# Allegro board A523-EVB-AXP717C-LPDDR4-4X-32X1-V1-0.brd (continued)
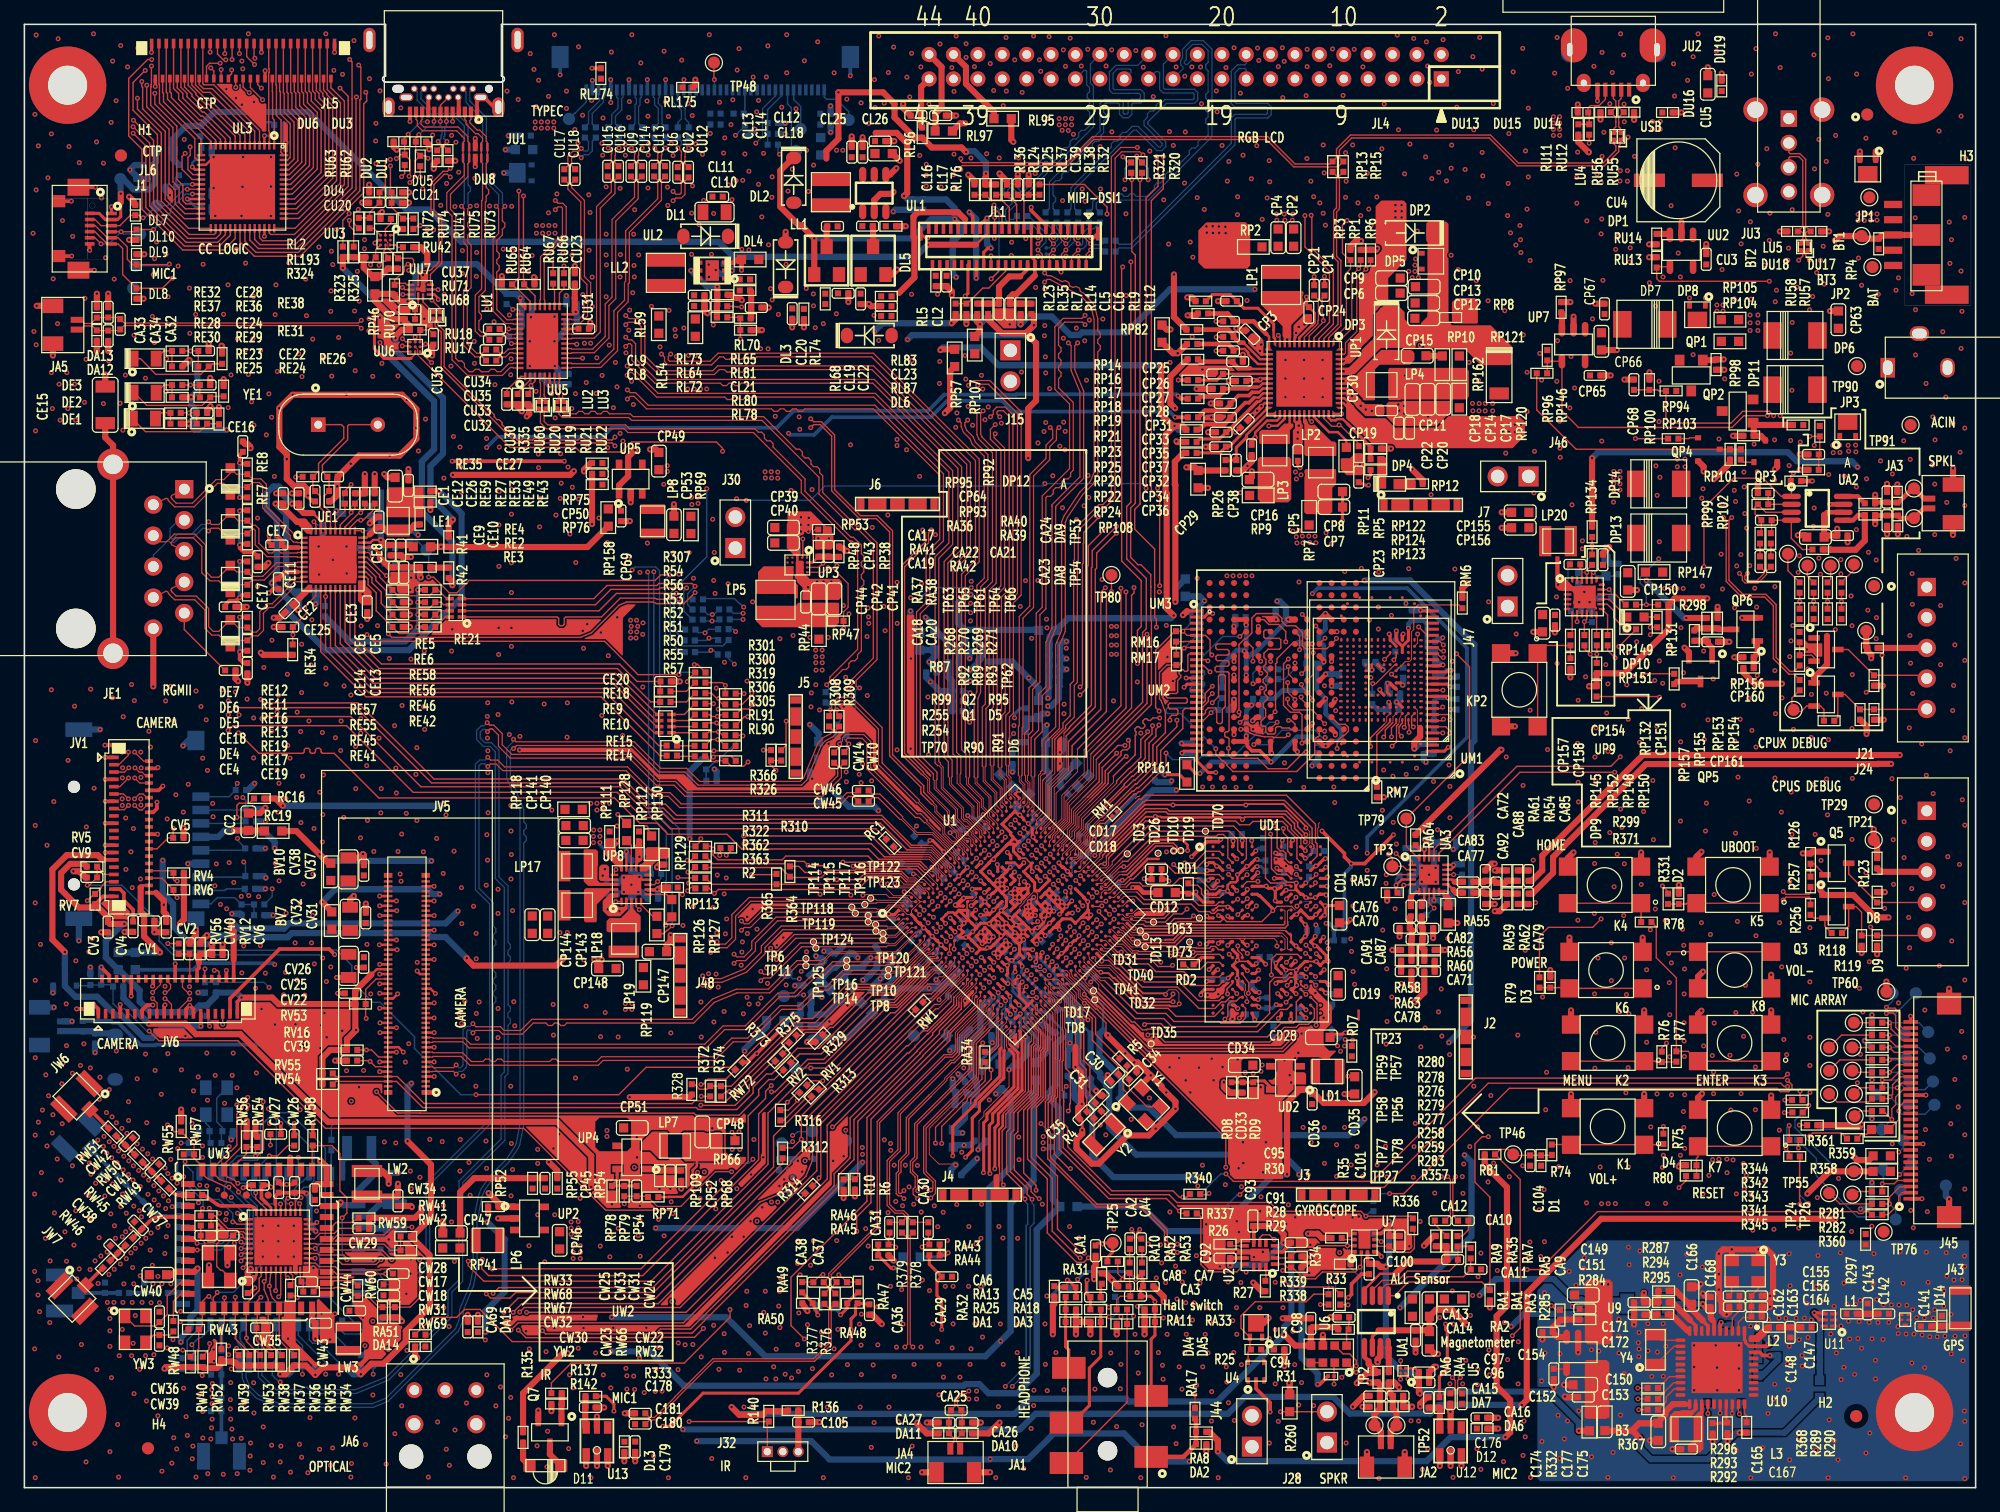
[diagram p0: board, top side]
## Placement (name value [footprint] x y rotation side) (continued)
TP96  I2S0-LRCK  [TP100]  156.24 35.2 180 bottom
TP97  I2S0-DIN0  [TP100]  154.33 35.2 180 bottom
TP98  I2S0-DOUT0  [TP100]  154.58 33.3 180 bottom
TP99  DMIC-DATA2  [TP100]  156.49 33.3 180 bottom
TP100  DMIC-DATA3  [TP100]  154.46 31.39 180 bottom
TP101  DMIC-DATA1  [TP100]  152.3 29.36 180 bottom
TP102  GND  [TP100]  157.56 24.77 180 bottom
TP103  PA-EN  [TP100]  156.62 31.39 180 bottom
TP104  VCC-5V  [TP100]  154.08 28.47 180 bottom
TP105  VCC-3V3  [TP100]  154.71 26.57 180 bottom
TP106  DMIC-DATA0  [TP100]  152.43 26.06 180 bottom
TP107  DMIC-CLK  [TP100]  153.44 22 180 bottom
TP108  LEDC  [TP100]  153.82 24.41 180 bottom
TP109  PE10  [TP100]  63.2 34.42 180 bottom
TP110  TEST  [TP30]  74.52 46.76 90 bottom
TP111  TEST  [TP30]  74.09 46.3 90 bottom
TP112  TEST  [TP30]  73.79 47.37 90 bottom
TP113  TEST  [TP30]  73.38 46.99 90 bottom
TP114  TEST  [TP30]  67.84 47.6 90 top
TP115  TEST  [TP30]  68.13 47.1 90 top
TP116  TEST  [TP30]  69.39 48.34 90 top
TP117  TEST  [TP30]  68.91 47.83 90 top
TP118  TEST  [TP30]  69.19 46.91 90 top
TP119  TEST  [TP30]  69.19 46.41 90 top
TP120  TEST  [TP30]  70.4 45.46 90 top
TP121  TEST  [TP30]  70.41 44.96 90 top
TP122  TEST  [TP30]  69.8 46.18 90 top
TP123  TEST  [TP30]  69.82 45.64 90 top
TP124  TEST  [TP30]  64.7 44.76 90 top
TP125  TEST  [TP30]  64.9 44.25 90 top
U1  A523  [BGA522P50B1500_1500H98]  81.23 46.99 45 top
U2  NC/ICM-42670-P  [LGA14P50B250_300H81]  101.3 19.08 180 top
U3  NC/MH248ESQ  [QFN3P100B200_200H53]  100.99 13.18 180 top
U4  NC/MT889X  [DFN5P100B165_165H55]  100.99 9.55 0 top
U5  NC/MMC5603NJ  [BGA4P40B82_82H57]  113.05 9.58 180 top
U6  NC/STK3310  [ALS8P97B236_394H140]  106.96 10.95 180 top
U7  NC/MC3433  [LGA12P50B200_200H100]  109.88 20.09 90 top
U8  B8813-TDK  [SFLT5B90_110H45]  154.22 13.77 90 top
U9  NC/SGM2028-3.3/EMP8965-3.3V  [SOT23-5]  127.4 11.1 270 top
U10  TD1030  [QFN40]  138.79 9.85 270 top
U11  MAX2659  [DFN6P50B100_150H72]  147.97 13.76 90 top
U12  NC/SPH1642HT5H-1  [MIC6B265_350H100]  116.95 3.83 90 top
U13  NC/SPH1642HT5H-1  [MIC6B265_350H100]  46.95 3.83 90 top
UA1  TCS7191AB  [MSOP8]  110.86 13.62 180 top
UA2  TCS7191AB  [MSOP8]  147.02 80.31 270 top
UA3  AC107  [QFN20P40B300_300H75]  115.18 50.27 0 top
UD1  LPDDR4_FBGA200  [BGA200P65_80B1000_1500H90]  101.87 45.74 0 top
UD2  SY8089A1AAC  [SOT5P95B160_300H130]  103.4 33.6 180 top
UE1  RTL8211F-CG/RTL8211FD-CG  [QFN41P40B500_500H85]  25.3 76.1 0 top
UL1  NC/LP3315  [SOT23-6]  69.69 106.16 0 top
UL2  LP3321QVF  [DFN6P650B200_200H75]  56.4 99.81 90 top
UL3  NC/GSL3676  [QFN57P40B700_700H75]  17.88 106.68 270 top
UM1  EMMC  [BGA169P50B1200_1600H100]  111.24 66.24 180 top
UM2  NC/BGA 152 BAll NAND  [BGA152P100B1400_1800H135]  103.18 66.19 180 top
UM3  NC/NAND  [SOP48P50B1200_1840H120]  105.78 66.15 0 top
UP1  AXP717C  [QFN53P40B600_600H75]  104.95 90.94 270 top
UP2  SY8089A1AAC  [SOT5P95B160_300H130]  41.41 22.08 0 top
UP3  TCS4838  [BGA20P40B160_200H60]  63.38 75.67 270 top
UP4  SY8089A1AAC  [SOT5P95B160_300H130]  49.8 27.08 180 top
UP5  NC/SY8089A1AAC  [SOT5P95B160_300H130]  49.71 82.71 90 top
UP7  WS4603E  [SOT23-5]  127.03 93.75 270 top
UP8  AXP323  [QFN20P40B300_300H75]  49.76 49.45 90 top
UP9  NC/ETA6973  [QFN25P40B300_300H60]  127.91 73.05 0 top
UU2  WS4603E  [SOT23-5]  135.88 101.5 270 top
UU3  HUSB311  [BGA9P40B135_140H58]  29.6 102.31 270 top
UU5  PS8743B  [QFN41P40B400_600H80]  42.47 94.02 90 top
UU6  WAS4766C  [BGA9P40B117_117H58D5]  32.04 93.56 180 top
UU7  SGM7237B  [QFN10P40B140_180H55]  32.49 98.24 90 top
UW1  NC/AP6275P/AP6275PR3  [QFN50P90B1300_1500H155]  20.21 19.56 0 bottom
UW2  NC/XR829  [QFN41P40B500_500H85]  20.82 20.21 0 top
UW3  AW8X9X  [SUB_WIFI47B1200_1200H150]  19.09 20.39 0 top
Y1  24M-20pF-10ppm  [X4B250_320H120_SMD]  91.8 31.4 45 top
Y2  32.768K-12.5pF-20ppm  [X2B150_320H75_SMD]  88.52 28.94 225 top
Y3  26M-3225-0.5PPM  [X4B250_320H120_SMD]  141.1 17.76 270 top
Y4  32.768K-12.5pF-20ppm  [X2B150_320H75_SMD]  133.74 11.31 90 top
YE1  NC/25M-20pF-30ppm  [X2B500_1135H350]  26.54 87.18 0 top
YW1  37.4M-18pF-10ppm  [X4B250_320H120_SMD]  15.75 31.69 180 bottom
YW2  24M-16pF-10ppm  [X4B250_320H80_SMD]  15.96 18.13 180 top
YW3  NC/37.4M-12pF-10ppm  [X4B250_320H120_SMD]  9.09 12.98 0 top

## Library data of the parts
B1-B3 BA1 BV7 BV10 = FB-0603
BL1 = FB-0402
BT1-BT3 TP2-TP5 TP19 TP21 TP23-TP27 TP29 TP45-TP66 TP70 TP73-TP83 TP87-TP109 = TestPoint-SMD
C1-C52 C54-C101 C104 C105 C139-C156 C159-C172 C174-C181 CA1-CA27 CA29-CA34 CA36-CA38 CA69-CA93 CD1-CD36 CL1-CL6 CL8-CL11 CL13-CL17 CL19-CL23 CL25-CL27 CL39-CL41 CL52-CL59 CM1-CM17 CP39-CP43 CP45-CP54 CP69 CP149 CU2 CU6 CU8 CU9 CU12-CU18 CU20 CU21 CU23-CU31 CU36 CU37 CV1-CV9 CV22 CV25 CV31 CV37 CV39 CV40 CW1-CW8 CW11 CW12 CW15-CW44 = C-C0402
CA28 CA35 CC2 CL12 CL18 CP1-CP38 CP44 CP63-CP68 CP135-CP141 CP143-CP148 CP150-CP161 CU3 CU5 CU7 = C-C0603
CE1-CE8 CE10-CE14 CE25 = C-C0402-X5R
CE9 = C-C0603-X7R
CE15 = C-C1206-X5R
CE16-CE24 CE26-CE28 = C-C0402-COG
CL42-CL51 CW9 CW13 CW45 CW46 = C-C0402: signal model: C-C0402_C0402_NC/100NF_NC/100nF
CU4 = C-EC0511-DIP
CU10 = C-C0402: signal model: Graser_CU10
CU11 = C-C0402: signal model: Graser_CU11
CU32 = C-C0402: signal model: Graser_CU32
CU33 = C-C0402: signal model: Graser_CU33
CU34 = C-C0402: signal model: Graser_CU34
CU35 = C-C0402: signal model: Graser_CU35
CV26 CV32 CV38 = C-C0805
CW10 = C-C0402: signal model: Graser_CW10
CW14 = C-C0402: signal model: Graser_CW14
D1-D6 D8 D9 DP9 DU3-DU6 DU13 DU16 DU19-DU22 = ESD5451X_0
D7 = DIO-XBS104S14: Tolerance: Toleance; User Part Number: Part number
D11 = IR12-21C
D12 D13 = ESD5451X
D14 DA1-DA15 DL7-DL11 DU1 DU2 DU14 DU15 DU17 DU18 = ESD9B5VL_0
D15 = DIO-1N4148
DC6-DC10 = ESD9B5VL
DE1-DE3 = LED-0805-R
DE4-DE7 = ESD-SPD9103W
DL1 = D_0: User Part Number: Part number; Tolerance: Toleance
DL2 = D_0: Tolerance: Toleance; User Part Number: Part number
DL3 DL5 = DIODE_DUAL_3
DL4 DL6 = DIODE SCHOTTKY: Tolerance: Toleance; User Part Number: Part number
DP1 DP5 DP8 DP12 DU7 = DIODE SCHOTTKY_1
DP2 = DIO-1N4148: Tolerance: Toleance; User Part Number: Part number
DP3 = DIO-1N5819HW: Tolerance: Toleance; User Part Number: Part number
DP4 DP10 = LED-0805-G
DP6 DP7 DP11 DP13 DP14 = DIO-1N5819HW
DU8 = ESD-ULC0524P: signal model: Graser_DU8
DU9 = ESD-ULC0524P
H1-H4 = HOLE
J1 = FPC-6P-0.5MM-B
J2-J7 J48 = ICSRC6508SFR
J9 JA2-JA5 = 0_0.8T-2PWB
J15 J28 J30 J44 J46 J47 = JUMPER-2
J21 J24 = XH2.54MM-5P-M
J32 = IR_Module
J43 = ANT-SMD_0
J45 = FPC-30P-0_0.5MM-T-B
JA1 = PJ-327F
JA6 = SPDIF-OPTICAL
JC1 = TF-SLOT
JE1 = RJ45-HFJ11-1G01E
JL1 = CON45_LCM
JL2 = FPC-40P-0.5MM-B-EDP
JL4 = DC3-2.0MM-44P-RGBLCD-20200618
JL5 = CON51PIN_CTP
JL6 = FPC_KEY_0
JP1 = J_BAT
JP2 = J_BAT_TS
JP3 = DCIN-5V
JU1 = Type-C-CSTU-16022400E
JU2 = USB2.0-MICRO-01F
JU3 = USB2.0-A-02F
JV1 JV6 = CON39PIN_CAMERA
JV5 = DF40HC-90DS-0.4V
JW1-JW3 JW6 JW7 = ANT-IPX
K1-K8 KP2 = KEY-04P-SMD-03: Tolerance: TOLERANCE; User Part Number: PRAT NUMBER
L1 L2 = L-L0402
L3 LD1 LP6-LP8 = L-L2520
LE1 = L-L2016
LL1 LL2 LP1 LP5 = L_4012
LP2-LP4 LP17-LP20 LW2 = L_LP200_250H120
LU1 = ICMS212B900MFR_0
LU2 = ICMS212B900MFR_0: signal model: Graser_LU2
LU3 = ICMS212B900MFR_0: signal model: Graser_LU3
LU4 = ICMS212B900MFR_0: signal model: Graser_LU4
LU5 = ICMS212B900MFR_0: signal model: Graser_LU5
LW1 LW3 LW4 = INDUCTORS OF FERRITE
Q1-Q3 Q5 = NMOS-BSN20
Q7 QP5 QP6 = NPN-MMBT3904
QP1 QP2 = MOSFET P
QP3 QP4 = NPN-LMBT3904LT1G
QV1 = MOSFET N
R1-R3 R87 R89-R93 R95 R103 R105 R107 R112 R118 R119 R123 R126 R128 R131 R133 R134 R254-R260 R268-R271 R276-R283 R300 R301 R304-R307 R310 R311 R319-R322 R326 R336-R345 R362 R363 R371-R373 = R-R0805-5%
R4 R14 R17 R18 R74-R78 R81 R335 RD3-RD10 RP41 RP44 RP66 RP69 RP97 = R-R0402-1%
R5 R7 R11 R13 R15 R16 R25-R36 R49 R55 R57-R59 R79 R80 R135-R137 R140 R142 R143 R266 R267 R284 R285 R287-R299 R315-R317 R323-R325 R328 R329 R331-R334 R346-R355 R360 R361 R364-R370 R374-R379 RA3-RA11 RA13 RA17 RA18 RA25 RA31-RA53 RA55 RA57 RA64 RC15 RC16 RC20 RD1 RD2 RE2-RE4 RE6 RE14 RE15 RE23-RE39 RE41-RE59 RL2 RL3 RL7 RL9 RL12 RL14 RL23-RL25 RL32 RL35-RL38 RL64 RL65 RL68 RL72-RL74 RL83 RL87-RL91 RL95-RL97 RL174-RL177 RL187-RL190 RL193-RL195 RM3-RM5 RM7-RM17 RP1 RP3-RP6 RP12 RP13 RP15 RP38 RP47 RP48 RP52 RP53 RP68 RP71 RP92-RP96 RP98-RP103 RP109 RP122-RP124 RP129 RP131-RP136 RP145 RP146 RP148-RP157 RU10 RU17 RU18 RU41 RU42 RU55 RU56 RU59-RU79 RV1-RV8 RV12-RV14 RV16 RV53-RV56 RW2-RW8 RW11-RW15 RW18 RW19 RW31-RW60 RW66-RW73 = R-R0402-5%
R6 R8 R10 R41 R42 R357-R359 RA1 RA2 RA54 RA56 RA58-RA63 RL1 RL5 RL54 RL59 RL63 RL70 RL76 RL78 RL80 RL81 RL192 RP2 RP7-RP9 RP11 RP14 RP16-RP27 RP29-RP31 RP33 RP39 RP40 RP42 RP43 RP46 RP49 RP51 RP54 RP55 RP57 RP67 RP75 RP76 RP78 RP79 RP81-RP83 RP85 RP104-RP108 RP111-RP113 RP118 RP119 RP125-RP128 RP130 RP139 RP142 RP147 RP158-RP161 = R-R0603-1%
R12 = R-R0603-1%: signal model: R-R0402-5%_R0402_0R_0R
R19-R21 = R-R0402-1%: signal model: R-R0402-5%_R0402_0R_0R
R43 = R-R0402-5%: signal model: Graser_R43
R44 = R-R0402-5%: signal model: Graser_R44
R45 = R-R0402-5%: signal model: Graser_R45
R46 = R-R0402-5%: signal model: Graser_R46
R47 = R-R0402-5%: signal model: Graser_R47
R48 = R-R0402-5%: signal model: Graser_R48
R50 = R-R0402-5%: signal model: Graser_R50
R51 = R-R0402-5%: signal model: Graser_R51
R52 = R-R0402-5%: signal model: Graser_R52
R53 = R-R0402-5%: signal model: Graser_R53
R54 = R-R0402-5%: signal model: Graser_R54
R56 = R-R0402-5%: signal model: Graser_R56
R99 = R-R0805-5%: signal model: R-R0402-5%_R0402_33R_33R
R308 = R-R0402-5%: signal model: Graser_R308
R309 = R-R0402-5%: signal model: Graser_R309
R312 = R-R0805-5%: signal model: Graser_R312
R313 = R-R0805-5%: signal model: Graser_R313
R314 = R-R0805-5%: signal model: Graser_R314
RC1 = R-R0402-5%: signal model: Graser_RC1
RC19 RE1 RE5 RP10 RP120 RP121 = R-R0603-5%
RE7 RE8 RE11-RE13 RE16 RE17 RE19 RE40 = R-R0201-1%
RE9 = R-R0402-5%: signal model: Graser_RE9
RE10 = R-RP8-0402-5%: signal model: Graser_RE10
RE18 = R-R0402-5%: signal model: Graser_RE18
RE20 = R-R0402-5%: signal model: Graser_RE20
RE21 = R-RP8-0402-5%: signal model: Graser_RE21
RE22 = R-R0402-5%: signal model: Graser_RE22
RL21 RL22 RL26-RL31 RL33 RL34 RM2 RM6 = R-R0402-5%: signal model: R-R0402-5%_R0402_0R_0R
RM1 = R-R0402-1%: signal model: Graser_RM1
RP162 = R-R1206-5%
RU11-RU14 = R-R0402-5%: room: EMMC
RU15 = R-R0402-5%: signal model: Graser_RU15
RU16 = R-R0402-5%: signal model: Graser_RU16
RU19 = R-R0402-5%: signal model: Graser_RU19
RU20 = R-R0402-5%: signal model: Graser_RU20
RU21 = R-R0402-5%: signal model: Graser_RU21
RU22 = R-R0402-5%: signal model: Graser_RU22
RU57 = R-R0402-5%: signal model: Graser_RU57
RU58 = R-R0402-5%: signal model: Graser_RU58
RW1 = R-R0402-5%: signal model: Graser_RW1
TD3 TD8 TD10 TD13 TD14 TD17-TD19 TD22 TD23 TD26 TD29 TD31 TD32 TD35 TD38 TD40 TD41 TD47 TD49 TD53 TD54 TD66 TD69-TD73 TP6 TP8 TP10 TP11 TP14 TP16 TP71 TP72 TP110-TP125 = TestPoint-on wire
U1 = A523/R828-V1
U2 = ICM-42670-P
U3 = MH248ESQ
U4 = MT889X
U5 = AK09918C
U6 = STK3310
U7 = MC3433
U8 = B8313-TDK-SAW
U9 = RT9050_0
U10 = TD1030: Tolerance: RichardLC
U11 = MAX2659
U12 U13 = MIC-SPH1642HT5H-1
UA1 UA2 = TCS7191AB: User Part Number: pn; Tolerance: RichardLC
UA3 = AC107s_standard_0
UD1 = LPDDR4_FBGA200
UD2 = SY8089A_0
UE1 = RTL8211F
UL1 = AP3019_0: Tolerance: RichardLC
UL2 = LP3321QVF
UL3 = GSL3676
UM1 = EMMC5.0-BGA169
UM2 = NAND-BGA152
UM3 = NAND-FLASH-TSOP48
UP1 = AXP717C
UP2 UP4 UP5 = SY8089A
UP3 = TCS4525
UP7 UU2 = SY6280
UP8 = AXP323
UP9 = ETA6973
UU3 = HUSB311
UU5 = PS8743
UU6 = WAS4766C
UU7 = SGM7237B
UW1 = AP6275P/AP6275PR3
UW2 = XR829
UW3 = MODULE_AP6XXX
Y1 = CRY-24MHz-3225-SMD
Y2 Y4 = CRY-32_0.768KHz-2X6-DIP
Y3 = OSC-25MHz-1_0.8V-3225-SMD
YE1 = CRY-25MHz-DIP
YW1 YW3 = CRY-37.4MHz-3225-SMD
YW2 = CRY-24MHz-3225-SMD-WIFI

## Footprints (pads in the part's own frame, mm; a bottom-side part is the same pattern mirrored in y, then rotated)
45PIN_UD_FPC_863
  rect 0.3x0.8 smd: 1(0,0) 3(0.6,0) 5(1.2,0) 7(1.8,0) 9(2.4,0) 11(3,0) 13(3.6,0) 15(4.2,0) 17(4.8,0) 19(5.4,0) 21(6,0) 23(6.6,0) 25(7.2,0) 27(7.8,0) 29(8.4,0) 31(9,0) 33(9.6,0) 35(10.2,0) 37(10.8,0) 39(11.4,0) 41(12,0) 43(12.6,0) 45(13.2,0)
  rect 0.3x0.65 smd: 2(0.3,2.875) 4(0.9,2.875) 6(1.5,2.875) 8(2.1,2.875) 10(2.7,2.875) 12(3.3,2.875) 14(3.9,2.875) 16(4.5,2.875) 18(5.1,2.875) 20(5.7,2.875) 22(6.3,2.875) 24(6.9,2.875) 26(7.5,2.875) 28(8.1,2.875) 30(8.7,2.875) 32(9.3,2.875) 34(9.9,2.875) 36(10.5,2.875) 38(11.1,2.875) 40(11.7,2.875) 42(12.3,2.875) 44(12.9,2.875)
  rect 0.3x1.15 smd: 46(13.85,0.375) 47(-0.65,0.375)
ALS8P97B236_394H140
  rect 0.72x0.7 smd: 1(-1.455,0.7) 2(-0.485,0.7) 3(0.485,0.7) 4(1.455,0.7) 5(1.455,-0.7) 6(0.485,-0.7) 7(-0.485,-0.7) 8(-1.455,-0.7)
ANT2B160_320H50
  rect 0.75x1.7 smd: 1(-1.475,0) 2(1.475,0)
ANT3B300_310H125
  rect 1.05x2.2 smd: 1(-1.475,0) 2(1.475,0)
  rect 1x1.05 smd: 3(0,1.525)
BAT_SMD-3
  rect 1.78x2.29 smd: 1(-3.27,0) 2(0,0) 3(3.27,0)
BGA4P40B82_82H57
  round 0.25 smd: A1(-0.2,0.2) A2(0.2,0.2) B1(-0.2,-0.2) B2(0.2,-0.2)
BGA9P40B117_117H58D5
  custom 0.052x0.052 smd: A1(-0.4,0.4) A2(0,0.4)
  round 0.25 smd: A3(0.4,0.4) B1(-0.4,0) B2(0,0) B3(0.4,0) C1(-0.4,-0.4) C2(0,-0.4) C3(0.4,-0.4)
BGA9P40B135_140H58
  round 0.25 smd: A1(-0.4,0.4) A2(0,0.4) B1(-0.4,0) B2(0,0) C1(-0.4,-0.4) C2(0,-0.4) C3(0.4,-0.4)
  custom 0.052x0.052 smd: A3(0.4,0.4) B3(0.4,0)
BGA20P40B160_200H60
  round 0.2 smd: A1(-0.6,0.8) A2(-0.2,0.8) A3(0.2,0.8) A4(0.6,0.8) B1(-0.6,0.4) B2(-0.2,0.4) B3(0.2,0.4) B4(0.6,0.4) C1(-0.6,0) C2(-0.2,0) C3(0.2,0) C4(0.6,0) D1(-0.6,-0.4) D2(-0.2,-0.4) D3(0.2,-0.4) D4(0.6,-0.4) E1(-0.6,-0.8) E2(-0.2,-0.8) E3(0.2,-0.8) E4(0.6,-0.8)
BGA152P100B1400_1800H135
  round 0.5 smd: A1(-6,8) A2(-5,8) A3(-4,8) A4(-3,8) A10(3,8) A11(4,8) A12(5,8) A13(6,8) B1(-6,7) B2(-5,7) B3(-4,7) B4(-3,7) B10(3,7) B11(4,7) B12(5,7) B13(6,7) C1(-6,6) C2(-5,6) C3(-4,6) C4(-3,6) C10(3,6) C11(4,6) C12(5,6) C13(6,6) D1(-6,5) D2(-5,5) D3(-4,5) D4(-3,5) D5(-2,5) D6(-1,5) D8(1,5) D9(2,5) D10(3,5) D11(4,5) D12(5,5) D13(6,5) E1(-6,4) E2(-5,4) E3(-4,4) E4(-3,4) E5(-2,4) E6(-1,4) E8(1,4) E9(2,4) E10(3,4) E11(4,4) E12(5,4) E13(6,4) F3(-4,3) F4(-3,3) F5(-2,3) F6(-1,3) F8(1,3) F9(2,3) F10(3,3) F11(4,3) G3(-4,2) G4(-3,2) G5(-2,2) G6(-1,2) G8(1,2) G9(2,2) G10(3,2) G11(4,2) H3(-4,1) H4(-3,1) H5(-2,1) H6(-1,1) H8(1,1) H9(2,1) H10(3,1) H11(4,1) J3(-4,0) J4(-3,0) J5(-2,0) J6(-1,0) J8(1,0) J9(2,0) J10(3,0) J11(4,0) K3(-4,-1) K4(-3,-1) K5(-2,-1) K6(-1,-1) K8(1,-1) K9(2,-1) K10(3,-1) K11(4,-1) L3(-4,-2) L4(-3,-2) L5(-2,-2) L6(-1,-2) L8(1,-2) L9(2,-2) L10(3,-2) L11(4,-2) M3(-4,-3) M4(-3,-3) M5(-2,-3) M6(-1,-3) M8(1,-3) M9(2,-3) M10(3,-3) M11(4,-3) N1(-6,-4) N2(-5,-4) N3(-4,-4) N4(-3,-4) N5(-2,-4) N6(-1,-4) N8(1,-4) N9(2,-4) N10(3,-4) N11(4,-4) N12(5,-4) N13(6,-4) P1(-6,-5) P2(-5,-5) P3(-4,-5) P4(-3,-5) P5(-2,-5) P6(-1,-5) P8(1,-5) P9(2,-5) P10(3,-5) P11(4,-5) P12(5,-5) P13(6,-5) R1(-6,-6) R2(-5,-6) R3(-4,-6) R4(-3,-6) R10(3,-6) R11(4,-6) R12(5,-6) R13(6,-6) T1(-6,-7) T2(-5,-7) T3(-4,-7) T4(-3,-7) T10(3,-7) T11(4,-7) T12(5,-7) T13(6,-7) U1(-6,-8) U2(-5,-8) U3(-4,-8) U4(-3,-8) U10(3,-8) U11(4,-8) U12(5,-8) U13(6,-8)
BGA169P50B1200_1600H100
  round 0.25 smd: A4(-1.75,6.75) A6(-0.75,6.75) A9(0.75,6.75) A11(1.75,6.75) AE1(-3.25,-5.25) AE14(3.25,-5.25) AG2(-2.75,-6.25) AG13(2.75,-6.25) AH4(-1.75,-6.75) AH6(-0.75,-6.75) AH9(0.75,-6.75) AH11(1.75,-6.75) B2(-2.75,6.25) B13(2.75,6.25) D1(-3.25,5.25) D14(3.25,5.25) J2(-2.75,2.75) J3(-2.25,2.75) J4(-1.75,2.75) J5(-1.25,2.75) J6(-0.75,2.75) J7(-0.25,2.75) J8(0.25,2.75) J9(0.75,2.75) J10(1.25,2.75) J11(1.75,2.75) J12(2.25,2.75) J13(2.75,2.75) K2(-2.75,2.25) K3(-2.25,2.25) K4(-1.75,2.25) K5(-1.25,2.25) K6(-0.75,2.25) K7(-0.25,2.25) K8(0.25,2.25) K9(0.75,2.25) K10(1.25,2.25) K11(1.75,2.25) K12(2.25,2.25) K13(2.75,2.25) L2(-2.75,1.75) L3(-2.25,1.75) L4(-1.75,1.75) L12(2.25,1.75) L13(2.75,1.75) M2(-2.75,1.25) M3(-2.25,1.25) M5(-1.25,1.25) M6(-0.75,1.25) M7(-0.25,1.25) M8(0.25,1.25) M9(0.75,1.25) M10(1.25,1.25) M12(2.25,1.25) M13(2.75,1.25) N2(-2.75,0.75) N3(-2.25,0.75) N5(-1.25,0.75) N10(1.25,0.75) N12(2.25,0.75) N13(2.75,0.75) P2(-2.75,0.25) P3(-2.25,0.25) P5(-1.25,0.25) P10(1.25,0.25) P12(2.25,0.25) P13(2.75,0.25) R2(-2.75,-0.25) R3(-2.25,-0.25) R5(-1.25,-0.25) R10(1.25,-0.25) R12(2.25,-0.25) R13(2.75,-0.25) T2(-2.75,-0.75) T3(-2.25,-0.75) T5(-1.25,-0.75) T10(1.25,-0.75) T12(2.25,-0.75) T13(2.75,-0.75) U2(-2.75,-1.25) U3(-2.25,-1.25) U5(-1.25,-1.25) U6(-0.75,-1.25) U7(-0.25,-1.25) U8(0.25,-1.25) U9(0.75,-1.25) U10(1.25,-1.25) U12(2.25,-1.25) U13(2.75,-1.25) V2(-2.75,-1.75) V3(-2.25,-1.75) V12(2.25,-1.75) V13(2.75,-1.75) W2(-2.75,-2.25) W3(-2.25,-2.25) W4(-1.75,-2.25) W5(-1.25,-2.25) W6(-0.75,-2.25) W7(-0.25,-2.25) W8(0.25,-2.25) W9(0.75,-2.25) W10(1.25,-2.25) W11(1.75,-2.25) W12(2.25,-2.25) W13(2.75,-2.25) Y2(-2.75,-2.75) Y3(-2.25,-2.75) Y4(-1.75,-2.75) Y5(-1.25,-2.75) Y6(-0.75,-2.75) Y7(-0.25,-2.75) Y8(0.25,-2.75) Y9(0.75,-2.75) Y10(1.25,-2.75) Y11(1.75,-2.75) Y12(2.25,-2.75) Y13(2.75,-2.75)
  oval 0.321x0.195 smd: AA1(-3.285,-3.25) H14(3.285,3.25) J1(-3.285,2.75) J14(3.285,2.75) K1(-3.285,2.25) K14(3.285,2.25) L1(-3.285,1.75) L14(3.285,1.75) M1(-3.285,1.25) M14(3.285,1.25) N1(-3.285,0.75) N14(3.285,0.75) P1(-3.285,0.25) P14(3.285,0.25) R1(-3.285,-0.25) R14(3.285,-0.25) T1(-3.285,-0.75) T14(3.285,-0.75) U1(-3.285,-1.25) U14(3.285,-1.25) V1(-3.285,-1.75) V14(3.285,-1.75) W1(-3.285,-2.25) W14(3.285,-2.25) Y1(-3.285,-2.75) Y14(3.285,-2.75)
  oval 0.195x0.321 smd: AA2(-2.75,-3.285) AA3(-2.25,-3.285) AA4(-1.75,-3.285) AA5(-1.25,-3.285) AA6(-0.75,-3.285) AA7(-0.25,-3.285) AA8(0.25,-3.285) AA9(0.75,-3.285) AA10(1.25,-3.285) AA11(1.75,-3.285) AA12(2.25,-3.285) AA13(2.75,-3.285) AA14(3.25,-3.285) H1(-3.25,3.285) H2(-2.75,3.285) H3(-2.25,3.285) H4(-1.75,3.285) H5(-1.25,3.285) H6(-0.75,3.285) H7(-0.25,3.285) H8(0.25,3.285) H9(0.75,3.285) H10(1.25,3.285) H11(1.75,3.285) H12(2.25,3.285) H13(2.75,3.285)
BGA200P65_80B1000_1500H90
  round 0.27 smd: A1(-4.4,6.825) A2(-3.6,6.825) A3(-2.8,6.825) A4(-2,6.825) A5(-1.2,6.825) A8(1.2,6.825) A9(2,6.825) A10(2.8,6.825) A11(3.6,6.825) A12(4.4,6.825) AA1(-4.4,-6.175) AA2(-3.6,-6.175) AA3(-2.8,-6.175) AA4(-2,-6.175) AA5(-1.2,-6.175) AA8(1.2,-6.175) AA9(2,-6.175) AA10(2.8,-6.175) AA11(3.6,-6.175) AA12(4.4,-6.175) AB1(-4.4,-6.825) AB2(-3.6,-6.825) AB3(-2.8,-6.825) AB4(-2,-6.825) AB5(-1.2,-6.825) AB8(1.2,-6.825) AB9(2,-6.825) AB10(2.8,-6.825) AB11(3.6,-6.825) AB12(4.4,-6.825) B1(-4.4,6.175) B2(-3.6,6.175) B3(-2.8,6.175) B4(-2,6.175) B5(-1.2,6.175) B8(1.2,6.175) B9(2,6.175) B10(2.8,6.175) B11(3.6,6.175) B12(4.4,6.175) C1(-4.4,5.525) C2(-3.6,5.525) C3(-2.8,5.525) C4(-2,5.525) C5(-1.2,5.525) C8(1.2,5.525) C9(2,5.525) C10(2.8,5.525) C11(3.6,5.525) C12(4.4,5.525) D1(-4.4,4.875) D2(-3.6,4.875) D3(-2.8,4.875) D4(-2,4.875) D5(-1.2,4.875) D8(1.2,4.875) D9(2,4.875) D10(2.8,4.875) D11(3.6,4.875) D12(4.4,4.875) E1(-4.4,4.225) E2(-3.6,4.225) E3(-2.8,4.225) E4(-2,4.225) E5(-1.2,4.225) E8(1.2,4.225) E9(2,4.225) E10(2.8,4.225) E11(3.6,4.225) E12(4.4,4.225) F1(-4.4,3.575) F2(-3.6,3.575) F3(-2.8,3.575) F4(-2,3.575) F5(-1.2,3.575) F8(1.2,3.575) F9(2,3.575) F10(2.8,3.575) F11(3.6,3.575) F12(4.4,3.575) G1(-4.4,2.925) G2(-3.6,2.925) G3(-2.8,2.925) G4(-2,2.925) G5(-1.2,2.925) G8(1.2,2.925) G9(2,2.925) G10(2.8,2.925) G11(3.6,2.925) G12(4.4,2.925) H1(-4.4,2.275) H2(-3.6,2.275) H3(-2.8,2.275) H4(-2,2.275) H5(-1.2,2.275) H8(1.2,2.275) H9(2,2.275) H10(2.8,2.275) H11(3.6,2.275) H12(4.4,2.275) J1(-4.4,1.625) J2(-3.6,1.625) J3(-2.8,1.625) J4(-2,1.625) J5(-1.2,1.625) J8(1.2,1.625) J9(2,1.625) J10(2.8,1.625) J11(3.6,1.625) J12(4.4,1.625) K1(-4.4,0.975) K2(-3.6,0.975) K3(-2.8,0.975) K4(-2,0.975) K5(-1.2,0.975) K8(1.2,0.975) K9(2,0.975) K10(2.8,0.975) K11(3.6,0.975) K12(4.4,0.975) N1(-4.4,-0.975) N2(-3.6,-0.975) N3(-2.8,-0.975) N4(-2,-0.975) N5(-1.2,-0.975) N8(1.2,-0.975) N9(2,-0.975) N10(2.8,-0.975) N11(3.6,-0.975) N12(4.4,-0.975) P1(-4.4,-1.625) P2(-3.6,-1.625) P3(-2.8,-1.625) P4(-2,-1.625) P5(-1.2,-1.625) P8(1.2,-1.625) P9(2,-1.625) P10(2.8,-1.625) P11(3.6,-1.625) P12(4.4,-1.625) R1(-4.4,-2.275) R2(-3.6,-2.275) R3(-2.8,-2.275) R4(-2,-2.275) R5(-1.2,-2.275) R8(1.2,-2.275) R9(2,-2.275) R10(2.8,-2.275) R11(3.6,-2.275) R12(4.4,-2.275) T1(-4.4,-2.925) T2(-3.6,-2.925) T3(-2.8,-2.925) T4(-2,-2.925) T5(-1.2,-2.925) T8(1.2,-2.925) T9(2,-2.925) T10(2.8,-2.925) T11(3.6,-2.925) T12(4.4,-2.925) U1(-4.4,-3.575) U2(-3.6,-3.575) U3(-2.8,-3.575) U4(-2,-3.575) U5(-1.2,-3.575) U8(1.2,-3.575) U9(2,-3.575) U10(2.8,-3.575) U11(3.6,-3.575) U12(4.4,-3.575) V1(-4.4,-4.225) V2(-3.6,-4.225) V3(-2.8,-4.225) V4(-2,-4.225) V5(-1.2,-4.225) V8(1.2,-4.225) V9(2,-4.225) V10(2.8,-4.225) V11(3.6,-4.225) V12(4.4,-4.225) W1(-4.4,-4.875) W2(-3.6,-4.875) W3(-2.8,-4.875) W4(-2,-4.875) W5(-1.2,-4.875) W8(1.2,-4.875) W9(2,-4.875) W10(2.8,-4.875) W11(3.6,-4.875) W12(4.4,-4.875) Y1(-4.4,-5.525) Y2(-3.6,-5.525) Y3(-2.8,-5.525) Y4(-2,-5.525) Y5(-1.2,-5.525) Y8(1.2,-5.525) Y9(2,-5.525) Y10(2.8,-5.525) Y11(3.6,-5.525) Y12(4.4,-5.525)
BGA522P50B1500_1500H98
  round 0.27 smd: A1(-7,7) A2(-6.5,7) A3(-6,7) A4(-5.5,7) A5(-5,7) A6(-4.5,7) A8(-3.5,7) A10(-2.5,7) A12(-1.5,7) A14(-0.5,7) A16(0.5,7) A18(1.5,7) A20(2.5,7) A22(3.5,7) A24(4.5,7) A25(5,7) A26(5.5,7) A27(6,7) A28(6.5,7) A29(7,7) AA1(-7,-3) AA2(-6.5,-3) AA3(-6,-3) AA4(-5.5,-3) AA5(-5,-3) AA6(-4.5,-3) AA7(-4,-3) AA9(-3,-3) AA10(-2.5,-3) AA11(-2,-3) AA12(-1.5,-3) AA17(1,-3) AA18(1.5,-3) AA19(2,-3) AA20(2.5,-3) AA21(3,-3) AA23(4,-3) AA24(4.5,-3) AA25(5,-3) AA26(5.5,-3) AA27(6,-3) AA28(6.5,-3) AA29(7,-3) AB1(-7,-3.5) AB2(-6.5,-3.5) AB13(-1,-3.5) AB28(6.5,-3.5) AB29(7,-3.5) AC1(-7,-4) AC2(-6.5,-4) AC3(-6,-4) AC4(-5.5,-4) AC5(-5,-4) AC7(-4,-4) AC9(-3,-4) AC11(-2,-4) AC13(-1,-4) AC15(0,-4) AC17(1,-4) AC19(2,-4) AC21(3,-4) AC24(4.5,-4) AC25(5,-4) AC26(5.5,-4) AC27(6,-4) AC28(6.5,-4) AC29(7,-4) AD1(-7,-4.5) AD2(-6.5,-4.5) AD7(-4,-4.5) AD9(-3,-4.5) AD11(-2,-4.5) AD13(-1,-4.5) AD15(0,-4.5) AD17(1,-4.5) AD19(2,-4.5) AD21(3,-4.5) AD23(4,-4.5) AD28(6.5,-4.5) AD29(7,-4.5) AE1(-7,-5) AE2(-6.5,-5) AE3(-6,-5) AE4(-5.5,-5) AE5(-5,-5) AE7(-4,-5) AE9(-3,-5) AE11(-2,-5) AE13(-1,-5) AE15(0,-5) AE17(1,-5) AE19(2,-5) AE21(3,-5) AE23(4,-5) AE26(5.5,-5) AE27(6,-5) AE28(6.5,-5) AE29(7,-5) AF1(-7,-5.5) AF2(-6.5,-5.5) AF7(-4,-5.5) AF9(-3,-5.5) AF11(-2,-5.5) AF13(-1,-5.5) AF15(0,-5.5) AF17(1,-5.5) AF19(2,-5.5) AF21(3,-5.5) AF23(4,-5.5) AF25(5,-5.5) AF28(6.5,-5.5) AF29(7,-5.5) AG1(-7,-6) AG2(-6.5,-6) AG3(-6,-6) AG5(-5,-6) AG7(-4,-6) AG9(-3,-6) AG10(-2.5,-6) AG11(-2,-6) AG12(-1.5,-6) AG13(-1,-6) AG14(-0.5,-6) AG15(0,-6) AG17(1,-6) AG19(2,-6) AG21(3,-6) AG23(4,-6) AG25(5,-6) AG27(6,-6) AG28(6.5,-6) AG29(7,-6) AH1(-7,-6.5) AH2(-6.5,-6.5) AH3(-6,-6.5) AH4(-5.5,-6.5) AH5(-5,-6.5) AH6(-4.5,-6.5) AH7(-4,-6.5) AH8(-3.5,-6.5) AH9(-3,-6.5) AH10(-2.5,-6.5) AH11(-2,-6.5) AH12(-1.5,-6.5) AH13(-1,-6.5) AH14(-0.5,-6.5) AH15(0,-6.5) AH16(0.5,-6.5) AH17(1,-6.5) AH18(1.5,-6.5) AH19(2,-6.5) AH20(2.5,-6.5) AH21(3,-6.5) AH22(3.5,-6.5) AH23(4,-6.5) AH24(4.5,-6.5) AH25(5,-6.5) AH26(5.5,-6.5) AH27(6,-6.5) AH28(6.5,-6.5) AH29(7,-6.5) AJ1(-7,-7) AJ2(-6.5,-7) AJ3(-6,-7) AJ4(-5.5,-7) AJ5(-5,-7) AJ6(-4.5,-7) AJ7(-4,-7) AJ8(-3.5,-7) AJ9(-3,-7) AJ11(-2,-7) AJ13(-1,-7) AJ15(0,-7) AJ16(0.5,-7) AJ17(1,-7) AJ18(1.5,-7) AJ19(2,-7) AJ20(2.5,-7) AJ21(3,-7) AJ22(3.5,-7) AJ23(4,-7) AJ24(4.5,-7) AJ25(5,-7) AJ26(5.5,-7) AJ27(6,-7) AJ28(6.5,-7) AJ29(7,-7) B1(-7,6.5) B2(-6.5,6.5) B3(-6,6.5) B4(-5.5,6.5) B5(-5,6.5) B6(-4.5,6.5) B7(-4,6.5) B8(-3.5,6.5) B9(-3,6.5) B10(-2.5,6.5) B11(-2,6.5) B12(-1.5,6.5) B13(-1,6.5) B14(-0.5,6.5) B15(0,6.5) B16(0.5,6.5) B17(1,6.5) B18(1.5,6.5) B19(2,6.5) B20(2.5,6.5) B21(3,6.5) B22(3.5,6.5) B23(4,6.5) B24(4.5,6.5) B25(5,6.5) B26(5.5,6.5) B27(6,6.5) B28(6.5,6.5) B29(7,6.5) C1(-7,6) C2(-6.5,6) C3(-6,6) C4(-5.5,6) C5(-5,6) C6(-4.5,6) C7(-4,6) C8(-3.5,6) C9(-3,6) C10(-2.5,6) C11(-2,6) C12(-1.5,6) C13(-1,6) C14(-0.5,6) C15(0,6) C16(0.5,6) C17(1,6) C18(1.5,6) C19(2,6) C20(2.5,6) C21(3,6) C22(3.5,6) C23(4,6) C24(4.5,6) C25(5,6) C26(5.5,6) C27(6,6) C28(6.5,6) C29(7,6) D1(-7,5.5) D2(-6.5,5.5) D6(-4.5,5.5) D8(-3.5,5.5) D10(-2.5,5.5) D12(-1.5,5.5) D14(-0.5,5.5) D16(0.5,5.5) D18(1.5,5.5) D20(2.5,5.5) D22(3.5,5.5) D28(6.5,5.5) D29(7,5.5) E1(-7,5) E2(-6.5,5) E3(-6,5) E4(-5.5,5) E5(-5,5) E6(-4.5,5) E8(-3.5,5) E10(-2.5,5) E12(-1.5,5) E14(-0.5,5) E16(0.5,5) E18(1.5,5) E20(2.5,5) E22(3.5,5) E24(4.5,5) E25(5,5) E26(5.5,5) E27(6,5) E28(6.5,5) E29(7,5) F1(-7,4.5) F2(-6.5,4.5) F8(-3.5,4.5) F10(-2.5,4.5) F12(-1.5,4.5) F14(-0.5,4.5) F16(0.5,4.5) F18(1.5,4.5) F20(2.5,4.5) F22(3.5,4.5) F28(6.5,4.5) F29(7,4.5) G1(-7,4) G2(-6.5,4) G3(-6,4) G4(-5.5,4) G5(-5,4) G6(-4.5,4) G7(-4,4) G23(4,4) G24(4.5,4) G25(5,4) G26(5.5,4) G27(6,4) G28(6.5,4) G29(7,4) H1(-7,3.5) H2(-6.5,3.5) H9(-3,3.5) H10(-2.5,3.5) H11(-2,3.5) H12(-1.5,3.5) H13(-1,3.5) H14(-0.5,3.5) H15(0,3.5) H16(0.5,3.5) H17(1,3.5) H18(1.5,3.5) H19(2,3.5) H20(2.5,3.5) H21(3,3.5) H27(6,3.5) H28(6.5,3.5) J1(-7,3) J2(-6.5,3) J3(-6,3) J4(-5.5,3) J5(-5,3) J6(-4.5,3) J7(-4,3) J10(-2.5,3) J12(-1.5,3) J13(-1,3) J15(0,3) J16(0.5,3) J18(1.5,3) J19(2,3) J22(3.5,3) J23(4,3) J24(4.5,3) J25(5,3) J26(5.5,3) J27(6,3) J28(6.5,3) J29(7,3) K1(-7,2.5) K2(-6.5,2.5) K9(-3,2.5) K10(-2.5,2.5) K12(-1.5,2.5) K15(0,2.5) K16(0.5,2.5) K18(1.5,2.5) K19(2,2.5) K21(3,2.5) K27(6,2.5) K28(6.5,2.5) L1(-7,2) L2(-6.5,2) L3(-6,2) L4(-5.5,2) L5(-5,2) L6(-4.5,2) L7(-4,2) L9(-3,2) L10(-2.5,2) L13(-1,2) L15(0,2) L16(0.5,2) L18(1.5,2) L19(2,2) L21(3,2) L23(4,2) L24(4.5,2) L25(5,2) L26(5.5,2) L27(6,2) L28(6.5,2) L29(7,2) M1(-7,1.5) M2(-6.5,1.5) M9(-3,1.5) M10(-2.5,1.5) M12(-1.5,1.5) M14(-0.5,1.5) M15(0,1.5) M16(0.5,1.5) M19(2,1.5) M21(3,1.5) M27(6,1.5) M28(6.5,1.5) N1(-7,1) N2(-6.5,1) N3(-6,1) N4(-5.5,1) N5(-5,1) N6(-4.5,1) N7(-4,1) N8(-3.5,1) N10(-2.5,1) N12(-1.5,1) N13(-1,1) N15(0,1) N16(0.5,1) N18(1.5,1) N19(2,1) N21(3,1) N22(3.5,1) N23(4,1) N24(4.5,1) N25(5,1) N26(5.5,1) N27(6,1) N28(6.5,1) N29(7,1) P2(-6.5,0.5) P3(-6,0.5) P9(-3,0.5) P10(-2.5,0.5) P11(-2,0.5) P13(-1,0.5) P15(0,0.5) P16(0.5,0.5) P18(1.5,0.5) P19(2,0.5) P27(6,0.5) P28(6.5,0.5) R1(-7,0) R2(-6.5,0) R3(-6,0) R4(-5.5,0) R5(-5,0) R6(-4.5,0) R7(-4,0) R15(0,0) R16(0.5,0) R23(4,0) R24(4.5,0) R25(5,0) R26(5.5,0) R27(6,0) R28(6.5,0) R29(7,0) T2(-6.5,-0.5) T3(-6,-0.5) T9(-3,-0.5) T10(-2.5,-0.5) T12(-1.5,-0.5) T13(-1,-0.5) T16(0.5,-0.5) T18(1.5,-0.5) T19(2,-0.5) T20(2.5,-0.5) T21(3,-0.5) T22(3.5,-0.5) T27(6,-0.5) T28(6.5,-0.5) U1(-7,-1) U2(-6.5,-1) U3(-6,-1) U4(-5.5,-1) U5(-5,-1) U6(-4.5,-1) U7(-4,-1) U9(-3,-1) U10(-2.5,-1) U12(-1.5,-1) U15(0,-1) U16(0.5,-1) U18(1.5,-1) U19(2,-1) U20(2.5,-1) U21(3,-1) U23(4,-1) U24(4.5,-1) U25(5,-1) U26(5.5,-1) U27(6,-1) U28(6.5,-1) U29(7,-1) V2(-6.5,-1.5) V3(-6,-1.5) V9(-3,-1.5) V10(-2.5,-1.5) V12(-1.5,-1.5) V13(-1,-1.5) V15(0,-1.5) V16(0.5,-1.5) V18(1.5,-1.5) V19(2,-1.5) V21(3,-1.5) V28(6.5,-1.5) V29(7,-1.5) W1(-7,-2) W2(-6.5,-2) W3(-6,-2) W4(-5.5,-2) W5(-5,-2) W6(-4.5,-2) W7(-4,-2) W8(-3.5,-2) W9(-3,-2) W10(-2.5,-2) W12(-1.5,-2) W14(-0.5,-2) W21(3,-2) W23(4,-2) W24(4.5,-2) W25(5,-2) W26(5.5,-2) W27(6,-2) W28(6.5,-2) W29(7,-2) Y1(-7,-2.5) Y2(-6.5,-2.5) Y12(-1.5,-2.5) Y14(-0.5,-2.5) Y15(0,-2.5) Y16(0.5,-2.5) Y17(1,-2.5) Y19(2,-2.5) Y21(3,-2.5) Y28(6.5,-2.5) Y29(7,-2.5)
C0402
  rect 0.5x0.5 smd: 1(-0.425,0) 2(0.425,0)
C0603
  rect 0.76x0.76 smd: 1(-0.71,0) 2(0.71,0)
C0805
  rect 0.9x1.3 smd: 1(-0.95,0) 2(0.95,0)
C1206
  rect 1x1.6 smd: 1(-1.5,0) 2(1.5,0)
CA660H540
  rect 2.55x1.1 smd: 1(-2.375,0) 2(2.375,0)
CON-2P-0_8MM
  rect 0.5x1 smd: 1(-0.4,0) 2(0.4,0)
  rect 1.2x1.7 smd: 3(-1.55,-1.95) 4(1.55,-1.95)
CON-R5S-P1_3-H1_5-R
  rect 1.5x0.6 smd: 1(0,2.5) 2(0,1.25) 3(0,0) 4(0,-1.25) 5(0,-2.5)
  rect 3.6x1.5 smd: 6(4.4,-4.9) 7(4.4,4.9)
DFN3P130B200_200H65
  rect 0.4x0.5 smd: 1(0.65,0.75) 2(-0.65,0.75)
  rect 1.6x1.35 smd: 3(0,-0.425)
DFN5P100B165_165H55
  rect 0.3x0.53 smd: 1(-0.65,-0.76) 2(0,-0.76) 3(0.65,-0.76) 4(0.65,0.76) 5(-0.65,0.76)
DFN6P50B100_150H72
  rect 0.25x0.6 smd: 1(-0.5,-0.395) 2(0,-0.395) 3(0.5,-0.395) 4(0.5,0.395) 5(0,0.395) 6(-0.5,0.395)
